# Altium PCB foxbms2-master.PcbDoc (part 8 of 11) (continued)
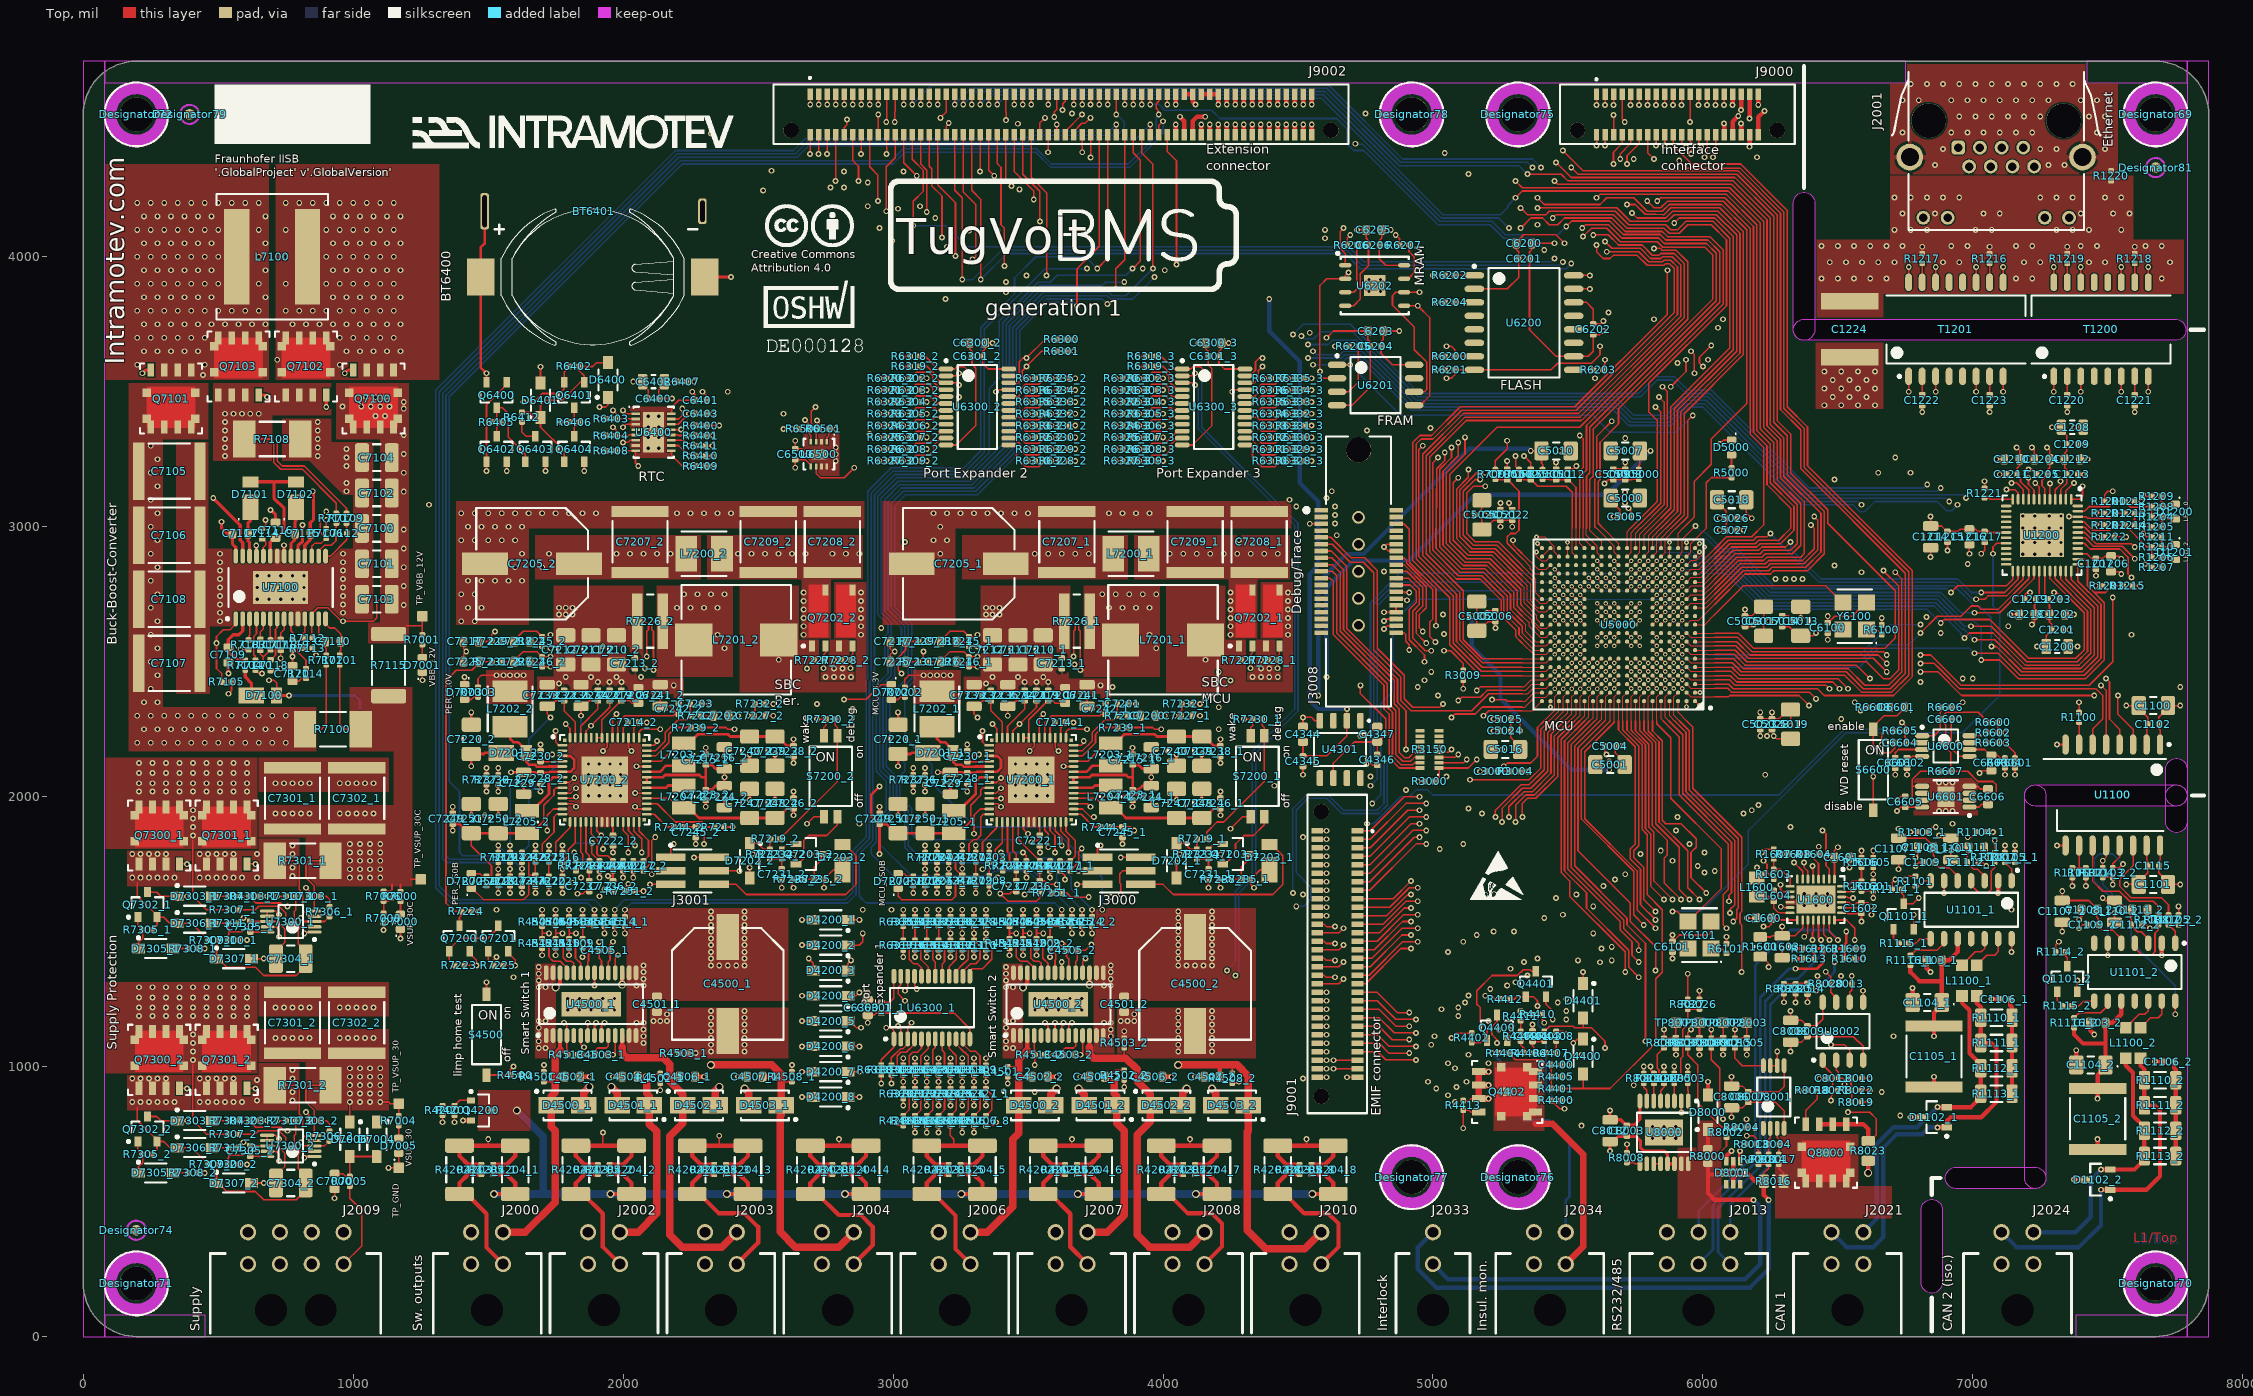
[diagram p0: Top view]
## Nets (pads, with @x,y where several pads share a name; then routed paths per layer and width w, separated by ;. In a path a pad name is that pad's centre, name@x,y a point inside that pad or via, vN(x,y) a via of type N, cw(c..) or ccw(c..) an arc to the next point about the centre after c; other vN are vias at no path point) (continued)
  Top w6: v1(6968.75,2587.5) 6987.5,2606.25 7075,2606.25 7193.75,2487.5 7393.75,2487.5 7437.5,2531.25 7437.5,2693.75 7325.15,2806.1 U1200.34@7325.15,2835.88
  Bottom w4: v3(5923.72,2842.22) 6043.75,2842.22
  Bottom w6: 6043.75,2842.22 6089.03,2842.22 6225,2706.25 6856.25,2706.25 6955.86,2606.64 6955.86,2600.39 v1(6968.75,2587.5)
MCU_MII.RXD2_1: U1200.35 U5000.U3 | length 2088.9
  Top w4: U5000.U3@5907.97,2857.97 v3(5923.72,2873.72)
  Top w6: v1(7006.25,2581.25) 7081.25,2581.25 7187.5,2475 7400,2475 7450,2525 7450,2700 7344.83,2805.17 U1200.35@7344.83,2835.88
  Bottom w4: v3(5923.72,2873.72) 5941.19,2856.25 6043.75,2856.25
  Bottom w6: 6043.75,2856.25 6093.75,2856.25 6231.25,2718.75 6862.5,2718.75 6960.04,2621.21 6966.29,2621.21 v1(7006.25,2581.25)
MCU_MII.RXD3_1: U1200.36 U5000.V3 | length 2296.8
  Top w4: U5000.V3@5907.97,2889.47 5923.72,2905.22 5923.72,2953.84 5963.63,2993.75
  Top w6: 5963.63,2993.75 v1(5972.44,3002.56) ; v1(7068.75,2556.25) 7087.5,2556.25 7181.25,2462.5 7406.25,2462.5 7462.5,2518.75 7462.5,2706.25 7364.52,2804.23 U1200.36@7364.52,2835.88
  Bottom w4: 5981.25,2993.75 5993.97,2981.03 6006.47,2981.03 6043.75,2943.75
  Bottom w6: v1(5972.44,3002.56) 5981.25,2993.75 ; 6043.75,2943.75 6068.75,2918.75 6125,2918.75 6262.5,2781.25 6931.25,2781.25 7006.25,2706.25 7025,2706.25 7068.75,2662.5 v1(7068.75,2556.25)
MCU_MII.RXER_1: R1201.1 R1213.2 U1200.46 U5000.U5 | length 1860.3
  Top w4: U5000.U5@5844.98,2857.97 v3(5860.73,2873.72)
  Top w6: v2@7350.15,3037.65 v2(7356.77,3037.65) U1200.46@7389.12,3037.65 7418.6,3037.65 7425,3031.25 7505.22,3031.25 R1201.1@7523.97,3050 R1213.2@7563.53,3050
  Int3 (Sig) w4: v3(5860.73,2873.72) 5875.59,2858.86 6043.75,2858.86
  Int3 (Sig) w6: 6043.75,2858.86 6102.61,2858.86 6137.5,2893.75 6781.25,2893.75 6843.75,2956.25 7050,2956.25 7175,3081.25 7316.35,3081.25 7356.77,3040.83 v2(7356.77,3037.65)
MCU_MII.TXCLK_1: U1200.29 U5000.U7 | length 1648.7
  Top w4: U5000.U7@5781.99,2857.97 v3(5797.74,2873.72)
  Top w6: v1(7006.25,2681.25) 7100,2681.25 7226.72,2807.97 U1200.29@7226.72,2835.88
  Bottom w4: v3(5797.74,2873.72) 5842.77,2918.75 5950,2918.75 5977.36,2891.39 6043.75,2891.39
  Bottom w6: 6043.75,2891.39 6114.86,2891.39 6250,2756.25 6881.25,2756.25 6956.25,2681.25 v1(7006.25,2681.25)
MCU_MII.TXD0_1: U1200.25 U5000.U8 | length 1573.3
  Top w4: U5000.U8@5750.49,2857.97 v3(5766.24,2873.72)
  Top w6: v1(6918.75,2756.25) 6943.75,2781.25 7125,2781.25 7147.98,2804.23 U1200.25@7147.98,2835.88
  Bottom w4: v3(5766.24,2873.72) 5849.65,2957.13 6011.62,2957.13 6043.75,2925
  Bottom w6: 6043.75,2925 6062.5,2906.25 6118.75,2906.25 6253.75,2771.25 6903.75,2771.25 v1(6918.75,2756.25)
MCU_MII.TXD1_1: U1200.26 U5000.R1 | length 1401.6
  Top w4: U5000.R1@5970.96,2794.98 5994.98,2794.98 6043.75,2843.75
  Top w6: 6043.75,2843.75 6112.5,2912.5 6206.25,2912.5 6218.75,2925 6306.25,2925 v1(6325,2943.75) ; v1(7031.25,2756.25) 7118.75,2756.25 7167.67,2805.17 U1200.26@7167.67,2835.88
  Bottom w6: v1(6325,2943.75) 6325,2918.75 6437.5,2806.25 6943.75,2806.25 6993.75,2756.25 v1(7031.25,2756.25)
MCU_MII.TXD2_1: U1200.27 U5000.T2 | length 1471.1
  Top w4: U5000.T2@5939.47,2826.48 5955.22,2842.22 5985.97,2842.22 6043.75,2900
  Top w6: 6043.75,2900 6093.75,2950 6187.5,2950 6200,2962.5 6237.5,2962.5 v1(6250,2975) ; v1(7012.5,2731.25) 7043.75,2731.25 7056.25,2743.75 7125,2743.75 7187.35,2806.1 U1200.27@7187.35,2835.88
  Bottom w6: v1(6250,2975) 6431.25,2793.75 6937.5,2793.75 6998.23,2733.02 7010.73,2733.02 v1(7012.5,2731.25)
MCU_MII.TXD3_1: U1200.28 U5000.G4 | length 1504.5
  Top w4: U5000.G4@5876.48,2543.01 v3(5892.22,2527.26)
  Top w6: v1(6806.25,2606.25) 6868.75,2668.75 6956.25,2668.75 6993.75,2706.25 7018.75,2706.25 7031.25,2693.75 7093.75,2693.75 7207.04,2807.04 U1200.28@7207.04,2835.88
  Bottom w4: v3(5892.22,2527.26) 5907.08,2512.41 5974.91,2512.41 5975,2512.5 6043.75,2512.5
  Bottom w6: 6043.75,2512.5 6593.75,2512.5 6643.75,2562.5 6762.5,2562.5 v1(6806.25,2606.25)
MCU_MII.TXEN_1: U1200.37 U5000.E4 | length 2091.4
  Top w4: U5000.E4@5876.48,2480.02 v3(5892.22,2464.27)
  Top w6: v1(7006.25,2531.25) 7093.75,2531.25 7175,2450 7412.5,2450 7475,2512.5 7475,2712.5 7389.12,2798.38 U1200.37@7389.12,2860.48
  Bottom w4: v3(5892.22,2464.27) 5907.08,2479.13 6043.75,2479.13
  Bottom w6: 6043.75,2479.13 6579.13,2479.13 6650,2550 6987.5,2550 v1(7006.25,2531.25)
MCU_RST.\ERROR_1: R7211.1 U5000.B14 U7200_1.31 | length 3842.3
  Top w4: 5525,2281.25 5545.77,2302.02 5545.77,2369.78 U5000.B14@5561.52,2385.53
  Top w6: R7211.1@2373.97,1887.5 v2(2406.25,1887.5) ; U7200_1.31@3668.52,1973.92 3719.83,1973.92 v2(3731.25,1962.5) ; v1(5331.25,1925) 5331.25,1975 5350,1993.75 5381.25,1993.75 5462.5,2075 5462.5,2218.75 5525,2281.25
  Int3 (Sig) w6: v2(3731.25,1962.5) 3737.5,1962.5 3787.5,1912.5 4181.25,1912.5 4200,1893.75 4225,1893.75 4337.5,2006.25 4831.25,2006.25 4906.25,2081.25 4968.75,2081.25 5012.5,2037.5 5131.25,2037.5 5212.5,1956.25 5300,1956.25 v1(5331.25,1925)
  Int4 (Sig) w6: v2(2406.25,1887.5) 2418.75,1875 3043.75,1875 3075,1906.25 3193.75,1906.25 3237.5,1950 3343.75,1950 3381.25,1912.5 3418.75,1912.5 3456.25,1950 3718.75,1950 v2(3731.25,1962.5)
MCU_RST.\PORRST_1: C7237_1.2 J9002.81 R7241_1.1 R7249_1.2 U5000.W7 | length 8370.5
  Top w4: U5000.W7@5781.99,2920.96 5781.99,2969.49 5806.25,2993.75
  Top w6: C7237_1.2@3456.25,1688.83 R7249_1.2@3456.25,1726.03 3471.08,1740.86 3473.14,1740.86 R7241_1.1@3493.75,1761.47 3493.75,1781.25 3481.58,1793.42 v1(3480.92,1793.42) ; v1(3952.76,4564.86) J9002.81@3952.76,4602.36 ; v1(5325,4181.25) 5350,4156.25 5418.75,4156.25 5431.25,4168.75 5675,4168.75 5725,4118.75 5862.5,4118.75 5881.25,4100 5906.25,4100 5937.5,4131.25 6037.5,4131.25 6100,4068.75 6100,3662.5 5881.25,3443.75 5881.25,3068.75 5806.25,2993.75
  Int3 (Sig) w6: v1(3952.76,4564.86) 3952.76,4522.24 3975,4500 3975,4015.65 3984.33,4006.32 3984.33,3940.58 v1(3968.75,3925) ; v1(5325,4181.25) 5325,4148.02 5303.17,4126.2 5303.17,4053.08 5331.25,4025 v1(5412.5,4025)
  Bottom w6: v1(3480.92,1793.42) 3430.54,1793.42 3405.87,1768.75 3106.25,1768.75 3056.25,1818.75 3056.25,1950 3012.5,1993.75 3012.5,2075 2975,2112.5 2975,2362.5 3056.25,2443.75 3056.25,2475 3043.75,2487.5 3043.75,2631.25 2981.25,2693.75 2981.25,3093.75 3031.25,3143.75 3300,3143.75 3443.75,3287.5 3443.75,3737.5 3562.5,3856.25 3793.75,3856.25 3806.25,3843.75 3887.5,3843.75 v1(3968.75,3925) ; v1(3952.76,4564.86) 3984.88,4564.86 4006.71,4543.04 4180.44,4543.04 4210.97,4512.5 4643.75,4512.5 4681.25,4475 4681.25,4418.75 4706.25,4393.75 4743.75,4393.75 5018.75,4118.75 5212.5,4118.75 5262.5,4068.75 5368.75,4068.75 v1(5412.5,4025)
MCU_SCI3.RX_1: J9002.25 U5000.W3 | length 4791.3
  Top w4: U5000.W3@5907.97,2920.96 5907.97,2976.72 5925,2993.75
  Top w6: v1(3070.87,4564.86) J9002.25@3070.87,4602.36 ; v1(5387.5,4218.75) 5412.5,4193.75 5618.75,4193.75 5643.75,4218.75 5743.75,4218.75 5793.75,4168.75 5850,4168.75 5875,4193.75 6068.75,4193.75 6162.5,4100 6162.5,3456.45 6031.25,3325.2 6031.25,3231.25 5968.75,3168.75 5968.75,3037.5 5925,2993.75
  Int3 (Sig) w6: v1(5387.5,4218.75) 5400,4231.25 v1(5400,4331.25)
  Bottom w6: v1(3070.87,4564.86) 3143.5,4637.5 4612.5,4637.5 4887.5,4362.5 5368.75,4362.5 v1(5400,4331.25)
MCU_SCI3.TX_1: J9002.26 U5000.N2 | length 5765.8
  Top w4: U5000.N2@5939.47,2731.99 5955.22,2747.74 6003.99,2747.74 6043.75,2787.5
  Top w6: J9002.26@3070.87,4452.76 3070.87,4361.1 3112.5,4319.47 3112.5,4243.75 3075,4206.25 v1(3075,4115.58) ; v1(5450,4281.25) 5462.5,4268.75 5572.86,4268.75 6106.25,4268.75 6237.5,4137.5 6237.5,3373.93 6287.5,3323.93 6287.5,3181.25 6375,3093.75 6375,2900 6362.5,2887.5 6237.5,2887.5 6225,2875 6131.25,2875 6043.75,2787.5
  Int3 (Sig) w6: v1(5450,3993.75) 5450,4019.13 5418.75,4050.38 5418.75,4250 v1(5450,4281.25)
  Bottom w6: v1(3075,4115.58) 3196.92,4115.58 3275,4037.5 4687.5,4037.5 4743.75,3981.25 5437.5,3981.25 v1(5450,3993.75)
MCU_SCI4.RX_1: U1600.2 U5000.A13 | length 2286.3
  Top w4: 5581.25,2281.25 5593.01,2293.01 U5000.A13@5593.01,2354.04
  Top w6: 5581.25,2281.25 5500,2200 5500,1731.25 5693.75,1537.5 5693.75,1506.25 5737.5,1462.5 5737.5,1412.5 v1(5762.5,1387.5) ; v1(6443.75,1875) 6456.25,1862.5 6456.25,1743.75 6467.96,1732.04 U1600.2@6467.96,1694.54
  Int3 (Sig) w6: v1(5762.5,1387.5) 5803.17,1428.17 5803.17,1596.92 5875,1668.75 6040.67,1668.75 6234.42,1862.5 6431.25,1862.5 v1(6443.75,1875)
MCU_SCI4.TX_1: U1600.7 U5000.B13 | length 2426
  Top w4: 5562.5,2281.25 5577.26,2296.01 5577.26,2369.78 U5000.B13@5593.01,2385.53
  Top w6: 5562.5,2281.25 5487.5,2206.25 5487.5,1725 5568.75,1643.75 5568.75,1587.5 5725,1431.25 5725,1368.75 v1(5762.5,1331.25) ; v2(6337.5,1756.25) 6369.54,1724.21 U1600.7@6369.54,1694.54
  Int3 (Sig) w6: v1(5762.5,1331.25) 5712.5,1381.25 5712.5,1568.75 5825,1681.25 6031.25,1681.25 6225,1875 6312.5,1875 v1(6325,1887.5)
  Int1 (Sig) w6: v1(6325,1887.5) 6337.5,1875 v2(6337.5,1756.25)
MCU_SMI.MDC_1: U1200.42 U5000.T9 | length 2324.2
  Top w4: U5000.T9@5719,2826.48 v3(5734.74,2842.22)
  Top w6: U1200.42@7389.12,2958.91 7416.09,2958.91 7447.5,2927.5 7553.75,2927.5 v2(7600,2881.25)
  Int3 (Sig) w4: v3(5734.74,2842.22) 5749.6,2827.37 6043.75,2827.37
  Int3 (Sig) w6: 6043.75,2827.37 6089.87,2827.37 6143.75,2881.25 6787.5,2881.25 6850,2943.75 7118.75,2943.75 7143.75,2968.75 7331.02,2968.75 7362.27,2937.5 7574.62,2937.5 7587.12,2950 7618.75,2950 7637.5,2931.25 7637.5,2918.75 v2(7600,2881.25)
MCU_SMI.MDIO_1: U1200.41 U5000.F4 | length 2273
  Top w4: U5000.F4@5876.48,2511.52 v3(5892.22,2495.77)
  Top w6: U1200.41@7389.12,2939.22 7412.81,2939.22 7434.53,2917.5 7545,2917.5 7575,2887.5 7575,2825 v2(7587.5,2812.5)
  Int3 (Sig) w4: v3(5892.22,2495.77) 5907.08,2480.91 6043.75,2480.91
  Int3 (Sig) w6: 6043.75,2480.91 6580.91,2480.91 6656.25,2556.25 7021.88,2556.25 7053.12,2587.5 7575,2587.5 v1(7587.5,2600)
  Int1 (Sig) w6: v1(7587.5,2600) v2(7587.5,2812.5)
MCU_SPI1.\CS1_1: J9000.6 U5000.F3 | length 2919.2
  Top w4: U5000.F3@5907.97,2511.52 v3(5923.72,2495.77)
  Top w6: v1(5668.75,4525) 5669.29,4524.46 J9000.6@5669.29,4452.76
  Int3 (Sig) w4: v3(5923.72,2495.77) 5968.75,2540.8 5968.75,2581.25 6043.75,2656.25
  Int3 (Sig) w6: 6043.75,2656.25 6156.25,2768.75 6231.25,2768.75 6243.75,2756.25 6318.75,2756.25 v1(6368.75,2806.25)
  Int1 (Sig) w6: v1(5668.75,4525) 5681.25,4537.5 5993.75,4537.5 6200,4331.25 6200,3656.25 6243.75,3612.5 6243.75,3106.25 6287.5,3062.5 6287.5,2887.5 v1(6368.75,2806.25)
MCU_SPI1.\CS2_1: J9000.7 U5000.G3 | length 2835.6
  Top w4: U5000.G3@5907.97,2543.01 v3(5923.72,2527.26)
  Top w6: J9000.7@5700.79,4602.36 5700.79,4511.13 5710.63,4501.28 v1(5710.63,4500)
  Int3 (Sig) w4: v3(5923.72,2527.26) 5956.25,2559.79 5956.25,2587.5 6043.75,2675
  Int3 (Sig) w6: 6043.75,2675 6150,2781.25 6237.5,2781.25 6250,2768.75 6300,2768.75 v1(6337.5,2806.25)
  Int1 (Sig) w6: v1(5710.63,4500) 5735.63,4525 5987.5,4525 6187.5,4325 6187.5,3650 6231.25,3606.25 6231.25,3100 6275,3056.25 6275,2868.75 v1(6337.5,2806.25)
MCU_SPI1.\CS3_1: J9000.8 U5000.J3 | length 2792.4
  Top w4: U5000.J3@5907.97,2606 v3(5923.72,2590.26)
  Top w6: v1(5668.75,4343.75) 5668.75,4387.5 5700.79,4419.54 J9000.8@5700.79,4452.76
  Int3 (Sig) w4: v3(5923.72,2590.26) 6043.75,2710.29
  Int3 (Sig) w6: 6043.75,2710.29 6139.71,2806.25 v1(6268.75,2806.25)
  Int1 (Sig) w6: v1(5668.75,4343.75) 5668.75,4425.15 5718.6,4475 6000,4475 6162.5,4312.5 6162.5,3637.5 6206.25,3593.75 6206.25,2868.75 v1(6268.75,2806.25)
MCU_SPI1.\CS4_1: J9000.9 U5000.U10 | length 2441
  Top w4: v4(5671.75,2873.72) U5000.U10@5687.5,2857.97
  Top w6: v1(5732.28,4562.5) J9000.9@5732.28,4602.36
  Int3 (Sig) w6: v1(5732.28,4562.5) 5732.28,4542.72 5756.25,4518.75 5756.25,4375 v1(5743.75,4362.5)
  Int1 (Sig) w4: v4(5671.75,2873.72) 5691.78,2893.75 5737.5,2893.75 5837.5,2993.75
  Int1 (Sig) w6: v1(5743.75,4362.5) 5743.75,4406.25 5787.5,4450 5987.5,4450 6137.5,4300 6137.5,3643.75 5918.75,3425 5918.75,3075 5837.5,2993.75
MCU_SPI1.\CS5_1: J9000.10 U5000.U9 | length 2335.7
  Top w4: U5000.U9@5719,2857.97 v4(5734.74,2873.72)
  Top w6: v1(5693.75,4362.5) 5693.75,4381.25 5732.28,4419.78 J9000.10@5732.28,4452.76
  Int1 (Sig) w4: v4(5734.74,2873.72) 5854.77,2993.75
  Int1 (Sig) w6: v1(5693.75,4362.5) 5693.75,4431.25 5725,4462.5 5993.75,4462.5 6150,4306.25 6150,3637.5 5931.25,3418.75 5931.25,3070.23 5854.77,2993.75
MCU_SPI1.CLK_1: J9000.5 U5000.F18 | length 3420
  Top w4: 5331.25,2495.77 5419.78,2495.77 U5000.F18@5435.53,2511.52
  Top w6: 5331.25,2495.77 5183.84,2495.77 5100,2579.61 5100,2756.25 4962.5,2893.75 4962.5,3268.75 5113.26,3419.51 5539.33,3419.51 5906.25,3786.43 5906.25,3962.5 5881.25,3987.5 5856.25,3987.5 5850,3981.25 5800,3981.25 5762.5,4018.75 v1(5643.75,4018.75) ; v1(5669.29,4562.5) J9000.5@5669.29,4602.36
  Int3 (Sig) w6: v1(5643.75,4018.75) 5662.5,4037.5 5662.5,4075 5568.75,4168.75 5568.75,4412.5 5600,4443.75 5600,4493.21 v1(5669.29,4562.5)
MCU_SPI1.SIMO0_1: J9000.3 U5000.F19 | length 3342.6
  Top w4: 5331.25,2511.52 U5000.F19@5404.04,2511.52
  Top w6: 5331.25,2511.52 5182.23,2511.52 5112.5,2581.25 5112.5,2762.5 4975,2900 4975,3262.5 5118.75,3406.25 5544.82,3406.25 5918.75,3780.18 5918.75,3968.75 5886.96,4000.54 5850.54,4000.54 5843.75,3993.75 5806.25,3993.75 5768.75,4031.25 5662.5,4031.25 v1(5637.5,4056.25) ; v1(5637.8,4562.5) J9000.3@5637.8,4602.36
  Int3 (Sig) w6: v1(5637.5,4056.25) 5637.5,4081.25 5555.62,4163.13 5555.62,4420.58 5587.5,4452.46 5587.5,4512.2 v1(5637.8,4562.5)
MCU_SPI1.SIMO1_1: J9000.4 U5000.E18 | length 3447.5
  Top w4: 5331.25,2464.27 5419.78,2464.27 U5000.E18@5435.53,2480.02
  Top w6: 5331.25,2464.27 5179.48,2464.27 5075,2568.75 5075,2743.75 4937.5,2881.25 4937.5,3306.25 4956.25,3325 5000,3325 5106.25,3431.25 5531.25,3431.25 5893.75,3793.75 5893.75,3957.16 5875.91,3975 5862.5,3975 5856.25,3968.75 5793.75,3968.75 5756.25,4006.25 5668.75,4006.25 5656.25,3993.75 5631.25,3993.75 5606.25,4018.75 v1(5606.25,4043.75) ; v1(5637.8,4412.5) J9000.4@5637.8,4452.76
  Int3 (Sig) w6: v1(5606.25,4043.75) 5606.25,4018.75 5631.25,3993.75 5656.25,3993.75 5675,4012.5 5675,4081.25 5637.8,4118.45 v1(5637.8,4412.5)
MCU_SPI1.SOMI0_1: J9000.1 U5000.G18 | length 3322.8
  Top w4: 5331.25,2568.75 5372.74,2527.26 5419.78,2527.26 U5000.G18@5435.53,2543.01
  Top w6: 5331.25,2568.75 5306.25,2593.75 5306.25,2618.75 5252.5,2672.5 5252.5,2728.75 5175,2806.25 5087.5,2806.25 4987.5,2906.25 4987.5,3257.32 5123.93,3393.75 5550,3393.75 5931.25,3775 5931.25,3975 5893.75,4012.5 5843.75,4012.5 5837.5,4006.25 5812.5,4006.25 5775,4043.75 5687.5,4043.75 5650,4081.25 v1(5593.75,4081.25) ; v1(5606.3,4562.5) J9000.1@5606.3,4602.36
  Int3 (Sig) w6: v1(5593.75,4081.25) 5593.75,4106.25 5543.75,4156.25 5543.75,4423.29 5575,4454.54 5575,4531.2 v1(5606.3,4562.5)
MCU_SPI1.SOMI1_1: J9000.2 U5000.R2 | length 2545.5
  Top w4: U5000.R2@5939.47,2794.98 5957.09,2812.6 5993.85,2812.6 6043.75,2862.5
  Top w6: v1(5606.25,4218.75) 5618.75,4231.25 6087.5,4231.25 6200,4118.75 6200,3356.25 6250,3306.25 6250,3162.5 6337.5,3075 6337.5,2987.5 6287.5,2937.5 6212.5,2937.5 6200,2925 6106.25,2925 6043.75,2862.5 ; v1(5606.3,4412.5) J9000.2@5606.3,4452.76
  Int3 (Sig) w6: v1@5606.27,4218.77 v1(5606.3,4412.5)
MCU_SPI2.\CS0_1: R7247_1.1 U5000.N3 | length 4248.5
  Top w4: U5000.N3@5907.97,2731.99 v3(5923.72,2747.74)
  Top w6: R7247_1.1@3656.25,1726.03 3687.5,1757.28 3687.5,1796.08 v2(3699.03,1807.61)
  Int1 (Sig) w6: v1(5625,1437.5) 5662.5,1475 5843.75,1475 5881.25,1512.5 5937.5,1512.5 6162.5,1737.5 6162.5,1912.5 6181.25,1931.25 v1(6181.25,1950)
  Int4 (Sig) w4: 5877.37,2281.25 5877.37,2564.91 5887.45,2575 5900,2575 5907.08,2582.08 5907.08,2731.1 v3(5923.72,2747.74)
  Int4 (Sig) w6: v2(3699.03,1807.61) 3699.03,1807.22 3800,1706.25 3856.25,1706.25 3925,1637.5 4206.25,1637.5 4475,1368.75 4656.25,1368.75 4662.5,1362.5 5143.75,1362.5 5231.25,1450 5612.5,1450 v1(5625,1437.5) ; 5877.37,2281.25 5877.37,2010.13 5918.75,1968.75 6162.5,1968.75 v1(6181.25,1950)
MCU_SPI2.\CS1_1: R7247_2.1 U5000.D3 | length 5703.1
  Top w4: U5000.D3@5907.97,2448.52 v3(5923.72,2432.78)
  Top w6: R7247_2.1@2075,1726.03 2106.25,1757.28 2106.25,1837.5 v2(2118.75,1850)
  Int1 (Sig) w6: v1(5662.5,1443.75) 5681.25,1462.5 5906.25,1462.5 6175,1731.25 6175,1906.25 6206.25,1937.5 v1(6206.25,1968.75)
  Int4 (Sig) w4: 5907.08,2281.25 5907.08,2416.14 v3(5923.72,2432.78)
  Int4 (Sig) w6: v2(2118.75,1850) 2143.75,1875 2325,1875 2350,1850 3056.25,1850 3087.5,1881.25 3206.25,1881.25 3250,1925 3331.25,1925 3368.75,1887.5 3431.25,1887.5 3468.75,1925 3581.25,1925 3657.07,1849.18 3688.32,1849.18 3818.75,1718.75 3862.5,1718.75 3931.25,1650 4100,1650 4137.5,1687.5 4225,1687.5 4493.75,1418.75 4650,1418.75 4656.25,1412.5 4881.25,1412.5 4906.25,1387.5 5150,1387.5 5225,1462.5 5643.75,1462.5 v1(5662.5,1443.75) ; 5907.08,2281.25 5907.08,2024.17 5950,1981.25 6193.75,1981.25 v1(6206.25,1968.75)
MCU_SPI2.\sCS2_1: U4500_1.6 U4500_2.6 U5000.D8 | length 9235.2
  Top w4: U5000.D8@5750.49,2448.52 v3(5766.24,2432.78)
  Top w6: U4500_1.6@1842.86,1115.11 1842.86,1083.55 1854.48,1071.93 v1(1855.21,1071.93) ; v2(3562.5,1162.5) 3574.11,1150.89 U4500_2.6@3574.11,1115.11
  Int3 (Sig) w6: v1(1855.21,1071.93) 1831.25,1095.89 1831.25,1162.5 1856.25,1187.5 1993.75,1187.5 2131.25,1325 3150,1325 3256.25,1218.75 3462.1,1218.75 3518.35,1162.5 v2(3562.5,1162.5)
  Int1 (Sig) w6: v1(5593.75,1493.75) 5612.5,1493.75 5618.75,1487.5 5837.5,1487.5 5875,1525 5931.25,1525 6150,1743.75 v1(6150,1937.5)
  Int4 (Sig) w4: v3(5766.24,2432.78) 5781.25,2417.77 5781.25,2281.25
  Int4 (Sig) w6: v1(1855.21,1071.93) 1815.57,1071.93 1743.75,1143.75 1743.75,1168.75 1631.25,1281.25 1631.25,1411.4 1481.78,1560.88 1481.78,1563.36 1481.78,1564.76 ccw(c1462.5,1575) 1481.25,1586.17 1481.25,1825 1587.5,1931.25 1981.25,1931.25 2025,1887.5 2331.25,1887.5 2356.25,1862.5 3050,1862.5 3081.25,1893.75 3200,1893.75 3243.75,1937.5 3337.5,1937.5 3375,1900 3425,1900 3462.5,1937.5 3587.5,1937.5 3662.5,1862.5 3693.75,1862.5 3825,1731.25 3868.75,1731.25 3937.5,1662.5 4093.75,1662.5 4131.25,1700 4231.25,1700 4500,1431.25 4656.25,1431.25 4662.5,1425 4887.5,1425 4912.5,1400 5143.75,1400 5218.75,1475 5575,1475 v1(5593.75,1493.75) ; 5781.25,2281.25 5781.25,2031.25 5856.25,1956.25 6131.25,1956.25 v1(6150,1937.5)
MCU_SPI2.CLK_1: U4500_1.8 U4500_2.8 U5000.E2 U7200_1.27 U7200_2.27 | length 10392.4
  Top w4: U5000.E2@5939.47,2480.02 5955.22,2464.27 6043.75,2464.27
  Top w6: U4500_1.8@1894.05,1115.11 1894.05,1156.55 v2(1900,1162.5) ; U7200_2.27@2039.52,1906.48 2039.52,1872.98 2068.75,1843.75 v2(2068.75,1793.75) ; U7200_1.27@3620.77,1906.48 3620.77,1872.98 3650,1843.75 v2(3650,1793.75) ; U4500_2.8@3625.3,1115.11 3625.3,1156.55 v2(3631.25,1162.5) ; 6043.75,2464.27 6104.48,2464.27 6131.25,2437.5 6500,2437.5 v1(6537.5,2400)
  Int3 (Sig) w6: v2(1900,1162.5) 1900,1056.25 1944.33,1011.92 2064.89,1011.92 2309.22,1256.25 2487.5,1256.25 2531.25,1212.5 3225,1212.5 3243.75,1193.75 3450,1193.75 3518.75,1125 3593.75,1125 v2(3631.25,1162.5)
  Int1 (Sig) w6: v1(5619.48,1386.77) 5700,1306.25 5725,1306.25 5727.49,1306.25 5831.25,1306.25 5950,1425 6168.75,1425 6250,1506.25 6250,1675 6315.58,1740.58 6315.58,1803.17 6281.25,1837.5 6281.25,2118.75 6537.5,2375 v1(6537.5,2400)
  Int4 (Sig) w6: v2(1900,1162.5) 1868.75,1131.25 1775,1131.25 1759.42,1146.83 1759.42,1171.83 1643.75,1287.5 1643.75,1418.75 1494.1,1568.4 1494.1,1570.88 1494.1,1571.22 ccw(c1462.5,1575) 1493.83,1580.58 cw(c1499.75,1581.58) 1493.75,1581.53 1493.75,1820.39 1592.11,1918.75 1975,1918.75 2068.75,1825 v2(2068.75,1793.75) 2100,1793.75 2168.75,1862.5 2318.75,1862.5 2343.75,1837.5 3062.5,1837.5 3093.75,1868.75 3212.5,1868.75 3256.25,1912.5 3325,1912.5 3362.5,1875 3437.5,1875 3475,1912.5 3575,1912.5 3650,1837.5 v2(3650,1793.75) 3668.75,1775 3712.5,1775 3793.75,1693.75 3850,1693.75 3918.75,1625 4200,1625 4468.75,1356.25 4650,1356.25 4656.25,1350 5150,1350 5237.5,1437.5 5568.75,1437.5 v1(5619.48,1386.77)
MCU_SPI2.SIMO_1: U4500_1.7 U5000.D1 U7200_1.26 U7200_2.26 | length 8011.2
  Top w4: U5000.D1@5970.96,2448.52 6043.75,2448.52
  Top w6: U4500_1.7@1868.45,1115.11 1868.45,1146.67 1868.75,1146.96 v2(1868.75,1162.5) ; U7200_2.26@2019.83,1906.48 2019.83,1873.92 2043.75,1850 v2(2043.75,1818.75) ; U7200_1.26@3601.08,1906.48 3601.08,1873.92 3625,1850 v2(3625,1818.75) ; 6043.75,2448.52 6101.48,2448.52 6125,2425 6481.25,2425 v1(6506.25,2400)
  Int1 (Sig) w6: v1(5662.5,1393.75) 5709.49,1393.75 5737.57,1365.67 5784.57,1365.67 5796.97,1378.08 5828.08,1378.08 5887.5,1437.5 6106.25,1437.5 6200,1531.25 6200,1650 6268.75,1718.75 6268.75,2125 6506.25,2362.5 v1(6506.25,2400)
  Int4 (Sig) w6: v2(1868.75,1162.5) 1843.75,1187.5 1762.5,1187.5 1656.25,1293.75 1656.25,1425 1506.25,1575 1506.25,1818.75 1593.75,1906.25 1956.25,1906.25 v2(2043.75,1818.75) 2043.75,1787.5 2062.5,1768.75 2093.75,1768.75 2175,1850 2312.5,1850 2337.5,1825 3068.75,1825 3100,1856.25 3218.75,1856.25 3262.5,1900 3318.75,1900 3356.25,1862.5 3443.75,1862.5 3481.25,1900 3568.75,1900 3625,1843.75 v2(3625,1818.75) 3625,1787.5 3650,1762.5 3706.25,1762.5 3787.5,1681.25 3843.75,1681.25 3912.5,1612.5 4193.75,1612.5 4493.75,1312.5 4625.38,1312.5 4637.88,1300 5118.75,1300 5243.75,1425 5543.75,1425 5605.9,1362.85 5631.6,1362.85 v1(5662.5,1393.75)
MCU_SPI2.SOMI_1: U4500_2.9 U5000.D2 U7200_1.25 U7200_2.25 | length 7082.1
  Top w4: U5000.D2@5939.47,2448.52 5955.22,2432.78 6043.75,2432.78
  Top w6: U7200_2.25@2000.15,1906.48 2000.15,1874.85 2018.75,1856.25 v2(2018.75,1793.75) ; U7200_1.25@3581.4,1906.48 3581.4,1874.85 3600,1856.25 v2(3600,1793.75) ; U4500_2.9@3650.89,1115.11 3650.89,1150.89 v2(3662.5,1162.5) ; 6043.75,2432.78 6098.47,2432.78 6118.75,2412.5 6456.25,2412.5 v1(6468.75,2400)
  Int1 (Sig) w6: v2(3662.5,1162.5) 3704,1162.5 3722.75,1181.25 3722.75,1271 3693.75,1300 3693.75,1337.5 3806.25,1450 v1(3806.25,1628.08) ; v1(5537.5,1393.75) 5556.25,1412.5 5643.75,1412.5 5650,1418.75 5737.5,1418.75 5746.83,1409.42 5840.67,1409.42 5881.25,1450 6100,1450 6187.5,1537.5 6187.5,1656.25 6258.29,1727.04 6258.29,2133.29 6468.75,2343.75 v1(6468.75,2400)
  Int4 (Sig) w6: v2(2018.75,1793.75) 2056.25,1756.25 2100,1756.25 2146.92,1803.17 2328.17,1803.17 2337.5,1812.5 3075,1812.5 3106.25,1843.75 3225,1843.75 3268.75,1887.5 3312.5,1887.5 3350,1850 3450,1850 3487.5,1887.5 3562.5,1887.5 3600,1850 v2(3600,1793.75) 3643.75,1750 3700,1750 3712.05,1737.95 3712.05,1722.28 v1(3806.25,1628.08) 3834.33,1600 4187.5,1600 4487.5,1300 4619.98,1300 4632.48,1287.5 5125,1287.5 5175,1337.5 5312.5,1337.5 5337.5,1362.5 5381.25,1362.5 5431.25,1412.5 5518.75,1412.5 v1(5537.5,1393.75)
MCU_SPI3.\CS4_1: J9002.4 U5000.E3 | length 4860.8
  Top w4: U5000.E3@5907.97,2480.02 v3(5923.72,2464.27)
  Top w6: v1(2724.11,4381.25) 2724.41,4381.55 J9002.4@2724.41,4452.76
  Int4 (Sig) w4: 5568.75,2993.75 5575,2987.5 5918.75,2987.5 5956.25,2950 5956.25,2496.8 v3(5923.72,2464.27)
  Int4 (Sig) w6: v1(2724.11,4381.25) 2767.86,4337.5 3692.99,4337.5 3712.5,4317.99 4911.82,4317.99 5387.5,3842.31 5387.5,3560.36 5606.25,3341.61 5606.25,3195.89 5543.75,3133.39 5543.75,3018.75 5568.75,2993.75
MCU_SPI3.\CS5_1: J9002.5 U5000.W9 | length 4993.7
  Top w4: U5000.W9@5719,2920.96 5719,2981.5 5731.25,2993.75
  Top w6: v1(2755.91,4564.86) J9002.5@2755.91,4602.36 ; v1(5443.75,4143.75) 5456.25,4156.25 5668.75,4156.25 5718.75,4106.25 5856.25,4106.25 5875,4087.5 5912.5,4087.5 5943.75,4118.75 6031.25,4118.75 6087.5,4062.5 6087.5,3818.75 5800,3531.25 5800,3425 5831.25,3393.75 5831.25,3093.75 5731.25,2993.75
  Int1 (Sig) w6: v1(2755.91,4564.86) 2828.54,4637.5 4596.43,4637.5 4852.68,4381.25 4975,4381.25 5200,4156.25 5431.25,4156.25 v1(5443.75,4143.75)
MCU_SPI3.\sCS6_1: U5000.D7 U6202.1 | length 2792.4
  Top w4: U5000.D7@5781.99,2448.52 v3(5797.74,2432.78)
  Top w6: v1(4668.75,4106.25) 4656.25,4093.75 4656.25,4031.25 4675,4012.5 U6202.1@4675,3968.75
  Int4 (Sig) w4: 5331.25,2525 5440.11,2416.14 5684.89,2416.14 5718.16,2449.41 5781.1,2449.41 v3(5797.74,2432.78)
  Int4 (Sig) w6: v1(4668.75,4106.25) 4668.75,4068.75 4693.75,4043.75 4918.75,4043.75 5200,3762.5 5200,3250 5150,3200 5150,3162.5 5187.5,3125 5287.5,3125 5331.25,3081.25 5331.25,2525
MCU_SPI4.\CS0_1: J9000.14 U5000.U1 | length 2146.1
  Top w4: U5000.U1@5970.96,2857.97 5982.84,2857.97 6043.75,2918.88
  Top w6: v1(5793.75,4206.25) 5818.75,4181.25 5843.75,4181.25 5868.75,4206.25 6075,4206.25 6175,4106.25 6175,3343.75 6225,3293.75 6225,3006.25 6181.25,2962.5 6087.37,2962.5 6043.75,2918.88 ; J9000.14@5795.28,4452.76 5795.28,4385.97 v1(5818.75,4362.5)
  Int3 (Sig) w6: v1(5793.75,4206.25) 5818.75,4231.25 v1(5818.75,4362.5)
MCU_SPI4.\CS1_1: J9000.15 U5000.B12 | length 6504
  Top w4: 5600.64,2281.25 5608.76,2289.37 5608.76,2369.78 U5000.B12@5624.51,2385.53
  Top w6: 5600.64,2281.25 5512.5,2193.11 5512.5,1737.5 5706.25,1543.75 5706.25,1512.5 5762.5,1456.25 v1(5762.5,1431.25) ; v1(5826.77,4562.5) J9000.15@5826.77,4602.36
  Int3 (Sig) w6: v1(5762.5,1431.25) 5737.5,1406.25 5737.5,1378.51 5750.34,1365.67 5796.92,1365.67 5843.75,1412.5 5869.13,1412.5 5906.63,1450 6187.12,1450 6293.37,1556.25 6525,1556.25 6568.75,1512.5 6612.5,1512.5 6625,1525 7087.5,1525 v1(7143.75,1581.25)
  Int1 (Sig) w6: v1(5826.77,4562.5) 5861.77,4597.5 6140,4597.5 6237.5,4500 6237.5,3675 6281.25,3631.25 6281.25,3350 6918.75,2712.5 6918.75,2281.25 6975,2225 6975,1912.5 7143.75,1743.75 v1(7143.75,1581.25)
MCU_SPI4.\CS2_1: J9000.16 U5000.T1 | length 2263.2
  Top w4: U5000.T1@5970.96,2826.48 5988.98,2826.48 6043.75,2881.25
  Top w6: v1(5826.77,4412.5) J9000.16@5826.77,4452.76 ; v1(5831.25,4206.25) 5843.75,4218.75 6081.25,4218.75 6187.5,4112.5 6187.5,3350 6237.5,3300 6237.5,3156.25 6325,3068.75 6325,2993.75 6281.25,2950 6206.25,2950 6193.75,2937.5 6100,2937.5 6043.75,2881.25
  Int3 (Sig) w6: v1(5826.77,4412.5) 5826.77,4389.66 5843.75,4372.69 5843.75,4300.05 5831.25,4287.55 v1(5831.25,4206.25)
MCU_SPI4.\CS3_1: J9000.17 U5000.V7 | length 2074.7
  Top w4: U5000.V7@5781.99,2889.47 5799.61,2907.09 5799.61,2968.36 5825,2993.75
  Top w6: 5825,2993.75 5893.75,3062.5 5893.75,3437.5 6112.5,3656.25 6112.5,4075 6043.75,4143.75 5912.5,4143.75 v1(5893.75,4125) ; v1(5858.27,4562.5) J9000.17@5858.27,4602.36
  Int3 (Sig) w6: v1(5858.27,4562.5) 5858.27,4460.48 5881.25,4437.5 5881.25,4393.75 5875,4387.5 5875,4143.75 v1(5893.75,4125)
MCU_SPI4.\CS4_1: J9000.18 U5000.D19 | length 3005.8
  Top w4: 5331.25,2448.52 U5000.D19@5404.04,2448.52
  Top w6: 5331.25,2448.52 5176.48,2448.52 5062.5,2562.5 5062.5,2737.5 4925,2875 4925,3312.5 4950.76,3338.26 4994.51,3338.26 5100.76,3444.51 5525.76,3444.51 5868.75,3787.5 v1(5868.75,3950) ; v1(5858.27,4412.5) J9000.18@5858.27,4452.76
  Int3 (Sig) w6: v1(5858.27,4412.5) 5858.27,3960.49 v1(5868.75,3950)
MCU_SPI4.\CS5_1: J9000.19 U5000.B4 | length 5648.5
  Top w4: 5873.43,2281.25 5860.73,2293.95 5860.73,2369.78 U5000.B4@5876.48,2385.53
  Top w6: 5873.43,2281.25 5925,2229.68 5925,2012.5 6106.25,1831.25 6106.25,1643.75 6096.92,1634.42 v1(6096.92,1612.5) ; v1(5889.76,4562.5) J9000.19@5889.76,4602.36
  Int3 (Sig) w6: v1(6096.92,1612.5) 6200,1612.5 6243.75,1568.75 6587.12,1568.75 6618.37,1537.5 7050,1537.5 v1(7118.75,1606.25)
  Int1 (Sig) w6: v1(5889.76,4562.5) 5914.76,4587.5 6131.25,4587.5 6225,4493.75 6225,3668.75 6268.75,3625 6268.75,3343.75 6906.25,2706.25 6906.25,2200 6962.5,2143.75 6962.5,1906.25 7118.75,1750 v1(7118.75,1606.25)
MCU_SPI4.CLK_1: J9000.13 U5000.K18 | length 2904.6
  Top w4: 5331.25,2706.25 5376.13,2661.37 5376.13,2645.78 5398.29,2623.63 5421.66,2623.63 U5000.K18@5435.53,2637.5
  Top w6: 5331.25,2706.25 5325,2712.5 5325,2768.75 5212.5,2881.25 5125,2881.25 5062.5,2943.75 5062.5,3193.75 5237.5,3368.75 5543.75,3368.75 5943.75,3768.75 5943.75,3981.25 5900,4025 5848.36,4025 5842.11,4031.25 v1(5818.75,4031.25) ; v1(5795.28,4562.5) J9000.13@5795.28,4602.36
  Int3 (Sig) w6: v1(5795.28,4562.5) 5781.25,4548.47 5781.25,4350 5793.75,4337.5 5793.75,4262.5 5756.25,4225 5756.25,4175 5768.75,4162.5 5768.75,4081.25 v1(5818.75,4031.25)